# KiCad board Boston-keyboard.kicad_pcb (continued)
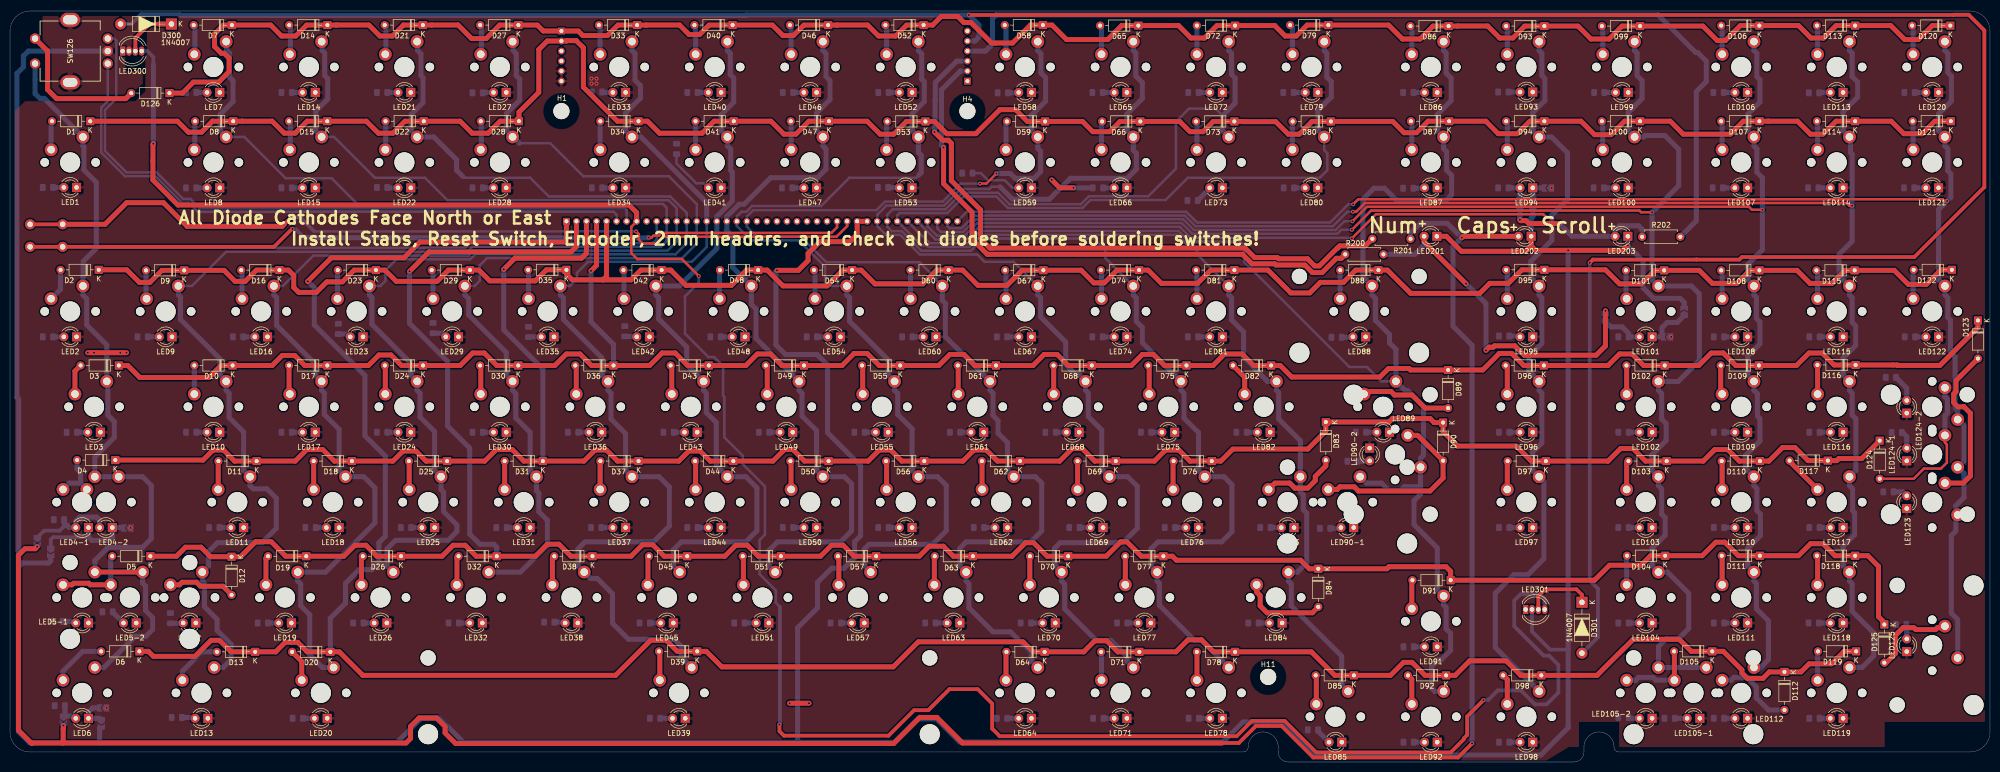
[diagram p0: board, top side]
## Placement (name value [footprint] x y rotation side) (continued)
R49  47  [R_0805_2012Metric_Pad1.15x1.40mm_HandSolder]  150.43 65.87 0 bottom
R50  47  [R_0805_2012Metric_Pad1.15x1.40mm_HandSolder]  155.19 46.82 0 bottom
R51  47  [R_0805_2012Metric_Pad1.15x1.40mm_HandSolder]  145.51 27.77 0 bottom
R52  47  [R_0805_2012Metric_Pad1.15x1.40mm_HandSolder]  174.24 133.74 0 bottom
R53  47  [R_0805_2012Metric_Pad1.15x1.40mm_HandSolder]  174.16 114.77 0 bottom
R54  47  [R_0805_2012Metric_Pad1.15x1.40mm_HandSolder]  159.96 84.92 0 bottom
R55  47  [R_0805_2012Metric_Pad1.15x1.40mm_HandSolder]  169.48 65.87 0 bottom
R56  47  [R_0805_2012Metric_Pad1.15x1.40mm_HandSolder]  174.24 46.82 0 bottom
R57  47  [R_0805_2012Metric_Pad1.15x1.40mm_HandSolder]  164.72 27.77 0 bottom
R58  47  [R_0805_2012Metric_Pad1.15x1.40mm_HandSolder]  198.06 133.66 0 bottom
R59  47  [R_0805_2012Metric_Pad1.15x1.40mm_HandSolder]  190.99 117.62 0 bottom
R60  47  [R_0805_2012Metric_Pad1.15x1.40mm_HandSolder]  179 84.92 0 bottom
R61  47  [R_0805_2012Metric_Pad1.15x1.40mm_HandSolder]  188.53 65.87 0 bottom
R62  47  [R_0805_2012Metric_Pad1.15x1.40mm_HandSolder]  193.29 46.82 0 bottom
R63  47  [R_0805_2012Metric_Pad1.15x1.40mm_HandSolder]  183.61 27.77 0 bottom
R64  47  [R_0805_2012Metric_Pad1.15x1.40mm_HandSolder]  197.9 8.72 0 bottom
R65  47  [R_0805_2012Metric_Pad1.15x1.40mm_HandSolder]  216.95 133.74 0 bottom
R66  47  [R_0805_2012Metric_Pad1.15x1.40mm_HandSolder]  217.03 114.69 0 bottom
R67  47  [R_0805_2012Metric_Pad1.15x1.40mm_HandSolder]  197.9 84.92 0 bottom
R68  47  [R_0805_2012Metric_Pad1.15x1.40mm_HandSolder]  207.58 65.87 0 bottom
R69  47  [R_0805_2012Metric_Pad1.15x1.40mm_HandSolder]  212.34 46.82 0 bottom
R70  47  [R_0805_2012Metric_Pad1.15x1.40mm_HandSolder]  202.66 27.77 0 bottom
R71  47  [R_0805_2012Metric_Pad1.15x1.40mm_HandSolder]  217.1 8.72 0 bottom
R72  47  [R_0805_2012Metric_Pad1.15x1.40mm_HandSolder]  236.08 133.74 0 bottom
R73  47  [R_0805_2012Metric_Pad1.15x1.40mm_HandSolder]  235.92 112.15 0 bottom
R74  47  [R_0805_2012Metric_Pad1.15x1.40mm_HandSolder]  216.95 84.92 0 bottom
R75  47  [R_0805_2012Metric_Pad1.15x1.40mm_HandSolder]  226.63 65.87 0 bottom
R76  47  [R_0805_2012Metric_Pad1.15x1.40mm_HandSolder]  231.39 46.82 0 bottom
R77  47  [R_0805_2012Metric_Pad1.15x1.40mm_HandSolder]  221.87 27.77 0 bottom
R78  47  [R_0805_2012Metric_Pad1.15x1.40mm_HandSolder]  236.16 8.72 0 bottom
R79  47  [R_0805_2012Metric_Pad1.15x1.40mm_HandSolder]  255.05 133.74 0 bottom
R80  47  [R_0805_2012Metric_Pad1.15x1.40mm_HandSolder]  255.13 114.69 0 bottom
R81  47  [R_0805_2012Metric_Pad1.15x1.40mm_HandSolder]  236 84.92 0 bottom
R82  47  [R_0805_2012Metric_Pad1.15x1.40mm_HandSolder]  245.68 65.87 0 bottom
R83  47  [R_0805_2012Metric_Pad1.15x1.40mm_HandSolder]  250.44 46.82 0 bottom
R84  47  [R_0805_2012Metric_Pad1.15x1.40mm_HandSolder]  248.06 27.77 0 bottom
R85  47  [R_0805_2012Metric_Pad1.15x1.40mm_HandSolder]  259.93 6.42 0 bottom
R86  47  [R_0805_2012Metric_Pad1.15x1.40mm_HandSolder]  278.94 133.74 0 bottom
R87  47  [R_0805_2012Metric_Pad1.15x1.40mm_HandSolder]  278.94 114.61 0 bottom
R88  47  [R_0805_2012Metric_Pad1.15x1.40mm_HandSolder]  264.65 84.84 0 bottom
R89  47  [R_0805_2012Metric_Pad1.15x1.40mm_HandSolder]  269.49 65.87 0 bottom
R90-1  47  [R_0805_2012Metric_Pad1.15x1.40mm_HandSolder]  262.35 46.66 0 bottom
R90-2  47  [R_0805_2012Metric_Pad1.15x1.40mm_HandSolder]  267.83 60.08 0 bottom
R91  47  [R_0805_2012Metric_Pad1.15x1.40mm_HandSolder]  279.02 23.01 0 bottom
R92  47  [R_0805_2012Metric_Pad1.15x1.40mm_HandSolder]  279.02 3.96 0 bottom
R93  47  [R_0805_2012Metric_Pad1.15x1.40mm_HandSolder]  297.91 133.81 0 bottom
R94  47  [R_0805_2012Metric_Pad1.15x1.40mm_HandSolder]  297.91 114.69 0 bottom
R95  47  [R_0805_2012Metric_Pad1.15x1.40mm_HandSolder]  298.07 85.08 0 bottom
R96  47  [R_0805_2012Metric_Pad1.15x1.40mm_HandSolder]  298.07 65.87 0 bottom
R97  47  [R_0805_2012Metric_Pad1.15x1.40mm_HandSolder]  298.07 46.82 0 bottom
R98  47  [R_0805_2012Metric_Pad1.15x1.40mm_HandSolder]  298.07 3.96 0 bottom
R99  47  [R_0805_2012Metric_Pad1.15x1.40mm_HandSolder]  317.04 133.74 0 bottom
R100  47  [R_0805_2012Metric_Pad1.15x1.40mm_HandSolder]  316.96 114.69 0 bottom
R101  47  [R_0805_2012Metric_Pad1.15x1.40mm_HandSolder]  321.88 84.92 0 bottom
R102  47  [R_0805_2012Metric_Pad1.15x1.40mm_HandSolder]  321.88 65.87 0 bottom
R103  47  [R_0805_2012Metric_Pad1.15x1.40mm_HandSolder]  321.88 46.82 0 bottom
R104  47  [R_0805_2012Metric_Pad1.15x1.40mm_HandSolder]  321.88 27.77 0 bottom
R105-1  47  [R_0805_2012Metric_Pad1.15x1.40mm_HandSolder]  331.09 8.72 0 bottom
R105-2  47  [R_0805_2012Metric_Pad1.15x1.40mm_HandSolder]  321.88 8.88 0 bottom
R106  47  [R_0805_2012Metric_Pad1.15x1.40mm_HandSolder]  340.85 133.74 0 bottom
R107  47  [R_0805_2012Metric_Pad1.15x1.40mm_HandSolder]  340.69 114.69 0 bottom
R108  47  [R_0805_2012Metric_Pad1.15x1.40mm_HandSolder]  340.93 84.92 0 bottom
R109  47  [R_0805_2012Metric_Pad1.15x1.40mm_HandSolder]  340.93 65.87 0 bottom
R110  47  [R_0805_2012Metric_Pad1.15x1.40mm_HandSolder]  340.93 46.82 0 bottom
R111  47  [R_0805_2012Metric_Pad1.15x1.40mm_HandSolder]  340.93 27.77 0 bottom
R112  47  [R_0805_2012Metric_Pad1.15x1.40mm_HandSolder]  340.93 8.72 0 bottom
R113  47  [R_0805_2012Metric_Pad1.15x1.40mm_HandSolder]  359.9 133.66 0 bottom
R114  47  [R_0805_2012Metric_Pad1.15x1.40mm_HandSolder]  359.74 114.69 0 bottom
R115  47  [R_0805_2012Metric_Pad1.15x1.40mm_HandSolder]  359.98 84.92 0 bottom
R116  47  [R_0805_2012Metric_Pad1.15x1.40mm_HandSolder]  359.98 65.87 0 bottom
R117  47  [R_0805_2012Metric_Pad1.15x1.40mm_HandSolder]  359.98 46.82 0 bottom
R118  47  [R_0805_2012Metric_Pad1.15x1.40mm_HandSolder]  359.82 27.77 0 bottom
R119  47  [R_0805_2012Metric_Pad1.15x1.40mm_HandSolder]  359.98 8.72 0 bottom
R120  47  [R_0805_2012Metric_Pad1.15x1.40mm_HandSolder]  378.95 133.74 0 bottom
R121  47  [R_0805_2012Metric_Pad1.15x1.40mm_HandSolder]  378.87 114.69 0 bottom
R122  47  [R_0805_2012Metric_Pad1.15x1.40mm_HandSolder]  379.03 84.92 0 bottom
R123  47  [R_0805_2012Metric_Pad1.15x1.40mm_HandSolder]  374.74 53.96 0 bottom
R124-1  47  [R_0805_2012Metric_Pad1.15x1.40mm_HandSolder]  376.4 65.8 0 bottom
R124-2  47  [R_0805_2012Metric_Pad1.15x1.40mm_HandSolder]  375.22 76.82 0 bottom
R125  47  [R_0805_2012Metric_Pad1.15x1.40mm_HandSolder]  377.28 27.45 0 bottom
R200  330  [R_Axial_DIN0207_L6.3mm_D2.5mm_P7.62mm_Horizontal]  274 101.4 180 top
R201  330  [R_Axial_DIN0207_L6.3mm_D2.5mm_P7.62mm_Horizontal]  279.4 104.5 180 top
R202  330  [R_Axial_DIN0207_L6.3mm_D2.5mm_P7.62mm_Horizontal]  325.6 104.9 0 top
SW1  MXSwitch  [MX100]  12 119.77 180 bottom
SW2  MXSwitch  [MX100]  12 90 180 bottom
SW3  MXSwitch  [MX150]  16.76 70.95 180 bottom
SW4-1  MXSwitch  [MX125]  14.38 51.9 180 bottom
SW4-2  MXSwitch  [MX175]  19.14 51.9 180 bottom
SW5-1  MXSwitch  [MX125]  14.38 32.85 180 bottom
SW5-2  MXSwitch  [MX225]  23.91 32.85 180 bottom
SW6  MXSwitch  [MX125]  14.38 13.8 180 bottom
SW7  MXSwitch  [MX100]  40.58 138.82 180 bottom
SW8  MXSwitch  [MX100]  40.58 119.77 180 bottom
SW9  MXSwitch  [MX100]  31.05 90 180 bottom
SW10  MXSwitch  [MX100]  40.58 70.95 180 bottom
SW11  MXSwitch  [MX100]  45.34 51.9 180 bottom
SW12  MXSwitch  [MX100]  35.81 32.85 180 bottom
SW13  MXSwitch  [MX125]  38.19 13.8 180 bottom
SW14  MXSwitch  [MX100]  59.62 138.82 180 bottom
SW15  MXSwitch  [MX100]  59.62 119.77 180 bottom
SW16  MXSwitch  [MX100]  50.1 90 180 bottom
SW17  MXSwitch  [MX100]  59.62 70.95 180 bottom
SW18  MXSwitch  [MX100]  64.39 51.9 180 bottom
SW19  MXSwitch  [MX100]  54.86 32.85 180 bottom
SW20  MXSwitch  [MX125]  62.01 13.8 180 bottom
SW21  MXSwitch  [MX100]  78.67 138.82 180 bottom
SW22  MXSwitch  [MX100]  78.67 119.77 180 bottom
SW23  MXSwitch  [MX100]  69.15 90 180 bottom
SW24  MXSwitch  [MX100]  78.67 70.95 180 bottom
SW25  MXSwitch  [MX100]  83.44 51.9 180 bottom
SW26  MXSwitch  [MX100]  73.91 32.85 180 bottom
SW27  MXSwitch  [MX100]  97.72 138.82 180 bottom
SW28  MXSwitch  [MX100]  97.72 119.77 180 bottom
SW29  MXSwitch  [MX100]  88.2 90 180 bottom
SW30  MXSwitch  [MX100]  97.72 70.95 180 bottom
SW31  MXSwitch  [MX100]  102.49 51.9 180 bottom
SW32  MXSwitch  [MX100]  92.96 32.85 180 bottom
SW33  MXSwitch  [MX100]  121.54 138.82 180 bottom
SW34  MXSwitch  [MX100]  121.54 119.77 180 bottom
SW35  MXSwitch  [MX100]  107.25 90 180 bottom
SW36  MXSwitch  [MX100]  116.78 70.95 180 bottom
SW37  MXSwitch  [MX100]  121.54 51.9 180 bottom
SW38  MXSwitch  [MX100]  112.01 32.85 180 bottom
SW39  MXSwitch  [MX625]  133.44 13.8 180 bottom
SW40  MXSwitch  [MX100]  140.59 138.82 180 bottom
SW41  MXSwitch  [MX100]  140.59 119.77 180 bottom
SW42  MXSwitch  [MX100]  126.3 90 180 bottom
SW43  MXSwitch  [MX100]  135.82 70.95 180 bottom
SW44  MXSwitch  [MX100]  140.59 51.9 180 bottom
SW45  MXSwitch  [MX100]  131.06 32.85 180 bottom
SW46  MXSwitch  [MX100]  159.64 138.82 180 bottom
SW47  MXSwitch  [MX100]  159.64 119.77 180 bottom
SW48  MXSwitch  [MX100]  145.35 90 180 bottom
SW49  MXSwitch  [MX100]  154.88 70.95 180 bottom
SW50  MXSwitch  [MX100]  159.64 51.9 180 bottom
SW51  MXSwitch  [MX100]  150.11 32.85 180 bottom
SW52  MXSwitch  [MX100]  178.69 138.82 180 bottom
SW53  MXSwitch  [MX100]  178.69 119.77 180 bottom
SW54  MXSwitch  [MX100]  164.4 90 180 bottom
SW55  MXSwitch  [MX100]  173.93 70.95 180 bottom
SW56  MXSwitch  [MX100]  178.69 51.9 180 bottom
SW57  MXSwitch  [MX100]  169.16 32.85 180 bottom
SW58  MXSwitch  [MX100]  202.5 138.82 180 bottom
SW59  MXSwitch  [MX100]  202.5 119.77 180 bottom
SW60  MXSwitch  [MX100]  183.45 90 180 bottom
SW61  MXSwitch  [MX100]  192.97 70.95 180 bottom
SW62  MXSwitch  [MX100]  197.74 51.9 180 bottom
SW63  MXSwitch  [MX100]  188.21 32.85 180 bottom
SW64  MXSwitch  [MX100]  202.5 13.8 180 bottom
SW65  MXSwitch  [MX100]  221.55 138.82 180 bottom
SW66  MXSwitch  [MX100]  221.55 119.77 180 bottom
SW67  MXSwitch  [MX100]  202.5 90 180 bottom
SW68  MXSwitch  [MX100]  212.03 70.95 180 bottom
SW69  MXSwitch  [MX100]  216.79 51.9 180 bottom
SW70  MXSwitch  [MX100]  207.26 32.85 180 bottom
SW71  MXSwitch  [MX100]  221.55 13.8 180 bottom
SW72  MXSwitch  [MX100]  240.6 138.82 180 bottom
SW73  MXSwitch  [MX100]  240.6 119.77 180 bottom
SW74  MXSwitch  [MX100]  221.55 90 180 bottom
SW75  MXSwitch  [MX100]  231.07 70.95 180 bottom
SW76  MXSwitch  [MX100]  235.84 51.9 180 bottom
SW77  MXSwitch  [MX100]  226.31 32.85 180 bottom
SW78  MXSwitch  [MX100]  240.6 13.8 180 bottom
SW79  MXSwitch  [MX100]  259.65 138.82 180 bottom
SW80  MXSwitch  [MX100]  259.65 119.77 180 bottom
SW81  MXSwitch  [MX100]  240.6 90 180 bottom
SW82  MXSwitch  [MX100]  250.12 70.95 180 bottom
SW83  MXSwitch  [MX100]  254.89 51.9 180 bottom
SW84  MXSwitch  [MX175]  252.51 32.85 180 bottom
SW85  MXSwitch  [MX100]  264.41 9.04 180 bottom
SW86  MXSwitch  [MX100]  283.46 138.82 180 bottom
SW87  MXSwitch  [MX100]  283.46 119.77 180 bottom
SW88  MXSwitch  [MX200]  269.18 90 180 bottom
SW89  MXSwitch  [MX150]  273.94 70.95 180 bottom
SW90-1  MXSwitch  [MX225]  266.79 51.9 180 bottom
SW90-2  MXSwitch  [MX_ISOEnter]  276.32 61.42 180 bottom
SW91  MXSwitch  [MX100]  283.46 28.09 180 bottom
SW92  MXSwitch  [MX100]  283.46 9.04 180 bottom
SW93  MXSwitch  [MX100]  302.51 138.82 180 bottom
SW94  MXSwitch  [MX100]  302.51 119.77 180 bottom
SW95  MXSwitch  [MX100]  302.51 90 180 bottom
SW96  MXSwitch  [MX100]  302.51 70.95 180 bottom
SW97  MXSwitch  [MX100]  302.51 51.9 180 bottom
SW98  MXSwitch  [MX100]  302.51 9.04 180 bottom
SW99  MXSwitch  [MX100]  321.56 138.82 180 bottom
SW100  MXSwitch  [MX100]  321.56 119.77 180 bottom
SW101  MXSwitch  [MX100]  326.32 90 180 bottom
SW102  MXSwitch  [MX100]  326.32 70.95 180 bottom
SW103  MXSwitch  [MX100]  326.32 51.9 180 bottom
SW104  MXSwitch  [MX100]  326.32 32.85 180 bottom
SW105-1  MXSwitch  [MX200]  335.85 13.8 180 bottom
SW105-2  MXSwitch  [MX100]  326.32 13.8 180 bottom
SW106  MXSwitch  [MX100]  345.38 138.82 180 bottom
SW107  MXSwitch  [MX100]  345.38 119.77 180 bottom
SW108  MXSwitch  [MX100]  345.38 90 180 bottom
SW109  MXSwitch  [MX100]  345.38 70.95 180 bottom
SW110  MXSwitch  [MX100]  345.38 51.9 180 bottom
SW111  MXSwitch  [MX100]  345.38 32.85 180 bottom
SW112  MXSwitch  [MX100]  345.38 13.8 180 bottom
SW113  MXSwitch  [MX100]  364.43 138.82 180 bottom
SW114  MXSwitch  [MX100]  364.43 119.77 180 bottom
SW115  MXSwitch  [MX100]  364.43 90 180 bottom
SW116  MXSwitch  [MX100]  364.43 70.95 180 bottom
SW117  MXSwitch  [MX100]  364.43 51.9 180 bottom
SW118  MXSwitch  [MX100]  364.43 32.85 180 bottom
SW119  MXSwitch  [MX100]  364.43 13.8 180 bottom
SW120  MXSwitch  [MX100]  383.48 138.82 180 bottom
SW121  MXSwitch  [MX100]  383.48 119.77 180 bottom
SW122  MXSwitch  [MX100]  383.48 90 180 bottom
SW123  MXSwitch  [MX100]  383.48 51.9 90 bottom
SW124-1  MXSwitch  [MX200]  383.48 61.42 90 bottom
SW124-2  MXSwitch  [MX100]  383.48 70.95 90 bottom
SW125  MXSwitch  [MX200R]  383.48 23.33 90 bottom
SW126  Rotary_Encoder_Switch_Chassis  [ALPS_EC11E]  12 142 90 top
SW200  SW_Push  [SW_PUSH_6mm_H5mm]  10.5 107.4 180 bottom

## Footprints (pads in the part's own frame, mm; a bottom-side part is the same pattern mirrored in y, then rotated)
ALPS_EC11E
  oval 1.651x2.769 smd: (-6.25,0) (6.25,0)
  round 1.016 smd: (-2.5,7) (-2.5,-7.5) (0,-7.5) (2.5,7) (2.5,-7.5)
  round 2.032 hole 1.27: A(-2.5,-7.5) B(2.5,-7.5) C(0,-7.5) S1(-2.5,7) S2(2.5,7)
  oval 2.8x3.9 hole 1.8x2.9: S(-6.25,0) S(6.25,0)
D_DO-35_SOD27_P7.62mm_Horizontal
  rect 1.6x1.6 hole 0.8: 1(0,0)
  oval 1.6x1.6 hole 0.8: 2(7.62,0)
D_DO-41_SOD81_P10.16mm_Horizontal
  rect 2.2x2.2 hole 1.1: 1(0,0)
  oval 2.2x2.2 hole 1.1: 2(10.16,0)
LED_D3.0mm_Clear
  rect 1.8x1.8 hole 0.9: 1(0,0)
  round 1.8 hole 0.9: 2(2.54,0)
LED_D5.0mm-4_RGB
  rect 1.07x1.8 hole 0.9: 1(0,0)
  oval 1.07x1.8 hole 0.9: 2(1.27,0) 3(2.54,0) 4(3.81,0)
MountingHole_3.2mm_M3_ISO7380
  round 3.2 hole 3.2 unplated: (0,0)
MX100
  round 1.702 hole 1.702 unplated: (-5.08,0) (5.08,0)
  round 3.988 hole 3.988 unplated: (0,0)
  round 2.54 hole 1.525: 1(-2.54,5.08) 2(3.81,2.54)
MX125
  round 1.702 hole 1.702 unplated: (-5.08,0) (5.08,0)
  round 3.988 hole 3.988 unplated: (0,0)
  round 2.54 hole 1.524: 1(-2.54,5.08) 2(3.81,2.54)
MX150
  round 1.702 hole 1.702 unplated: (-5.08,0) (5.08,0)
  round 3.988 hole 3.988 unplated: (0,0)
  round 2.54 hole 1.524: 1(-2.54,5.08) 2(3.81,2.54)
MX175
  round 1.702 hole 1.702 unplated: (-5.08,0) (5.08,0)
  round 3.988 hole 3.988 unplated: (0,0)
  round 2.54 hole 1.524: 1(-2.54,5.08) 2(3.81,2.54)
MX200
  round 3.988 hole 3.988 unplated: (-11.938,-8.255) (0,0) (11.938,-8.255)
  round 3.048 hole 3.048 unplated: (-11.938,6.985) (11.938,6.985)
  round 1.702 hole 1.702 unplated: (-5.08,0) (5.08,0)
  round 2.54 hole 1.524: 1(-2.54,5.08) 2(3.81,2.54)
MX200R
  round 3.048 hole 3.048 unplated: (-11.938,-6.985) (11.938,-6.985)
  round 3.988 hole 3.988 unplated: (-11.938,8.255) (0,0) (11.938,8.255)
  round 1.702 hole 1.702 unplated: (-5.08,0) (5.08,0)
  round 2.54 hole 1.524: 1(-2.54,5.08) 2(3.81,2.54)
MX225
  round 3.988 hole 3.988 unplated: (-11.938,-8.255) (0,0) (11.938,-8.255)
  round 3.048 hole 3.048 unplated: (-11.938,6.985) (11.938,6.985)
  round 1.702 hole 1.702 unplated: (-5.08,0) (5.08,0)
  round 2.54 hole 1.524: 1(-2.54,5.08) 2(3.81,2.54)
MX625
  round 3.988 hole 3.988 unplated: (-50.038,-8.255) (0,0) (50.038,-8.255)
  round 3.048 hole 3.048 unplated: (-50.038,6.985) (50.038,6.985)
  round 1.702 hole 1.702 unplated: (-5.08,0) (5.08,0)
  round 2.54 hole 1.524: 1(-2.54,5.08) 2(3.81,2.54)
MX_ISOEnter
  round 3.048 hole 3.048 unplated: (-6.985,-11.938) (-6.985,11.938)
  round 1.702 hole 1.702 unplated: (0,-5.08) (0,5.08)
  round 3.988 hole 3.988 unplated: (0,0) (8.255,-11.938) (8.255,11.938)
  round 2.54 hole 1.524: 1(-5.08,-2.54) 2(-2.54,3.81)
PinSocket_1x06_P2.00mm_Vertical
  rect 1.35x1.35 hole 0.8: 1(0,0)
  oval 1.35x1.35 hole 0.8: 2(0,-2) 3(0,-4) 4(0,-6) 5(0,-8) 6(0,-10)
PinSocket_1x40_P2.00mm_Vertical
  rect 1.35x1.35 hole 0.8: 1(0,0)
  oval 1.35x1.35 hole 0.8: 2(0,-2) 3(0,-4) 4(0,-6) 5(0,-8) 6(0,-10) 7(0,-12) 8(0,-14) 9(0,-16) 10(0,-18) 11(0,-20) 12(0,-22) 13(0,-24) 14(0,-26) 15(0,-28) 16(0,-30) 17(0,-32) 18(0,-34) 19(0,-36) 20(0,-38) 21(0,-40) 22(0,-42) 23(0,-44) 24(0,-46) 25(0,-48) 26(0,-50) 27(0,-52) 28(0,-54) 29(0,-56) 30(0,-58) 31(0,-60) 32(0,-62) 33(0,-64) 34(0,-66) 35(0,-68) 36(0,-70) 37(0,-72) 38(0,-74) 39(0,-76) 40(0,-78)
R_0805_2012Metric_Pad1.15x1.40mm_HandSolder
  rrect 1.15x1.4 smd: 1(-1.025,0) 2(1.025,0)
R_Axial_DIN0207_L6.3mm_D2.5mm_P7.62mm_Horizontal
  round 1.6 hole 0.8: 1(0,0)
  oval 1.6x1.6 hole 0.8: 2(7.62,0)
SolderJumper-2_P1.3mm_Open_TrianglePad1.0x1.5mm
  custom 1.5x1.5 smd: 1(-0.725,0)
  custom 1.15x1.5 smd: 2(0.725,0)
SW_PUSH_6mm_H5mm
  round 2 hole 1.1: 1(0,0) 1(6.5,0) 2(0,-4.5) 2(6.5,-4.5)

## Nets
+3V3: J1.3 J1.4 J3.6 R1.1 R2.1 R3.1 R4.1 R5-1.1 R5-2.1 R6.1 R7.1 R8.1 R9.1 R10.1 R11.1 R12.1 R13.1 R14.1 R15.1 R16.1 R17.1 R18.1 R19.1 R20.1 R21.1 R22.1 R23.1 R24.1 R25.1 R26.1 R27.1 R28.1 R29.1 R30.1 R31.1 R32.1 R33.1 R34.1 R35.1 R36.1 R37.1 R38.1 R39.1 R40.1 R41.1 R42.1 R43.1 R44.1 R45.1 R46.1 R47.1 R48.1 R49.1 R50.1 R51.1 R52.1 R53.1 R54.1 R55.1 R56.1 R57.1 R58.1 R59.1 R60.1 R61.1 R62.1 R63.1 R64.1 R65.1 R66.1 R67.1 R68.1 R69.1 R70.1 R71.1 R72.1 R73.1 R74.1 R75.1 R76.1 R77.1 R78.1 R79.1 R80.1 R81.1 R82.1 R83.1 R84.1 R85.1 R86.1 R87.1 R88.1 R89.1 R90-1.1 R90-2.1 R91.1 R92.1 R93.1 R94.1 R95.1 R96.1 R97.1 R98.1 R99.1 R100.1 R101.1 R102.1 R103.1 R104.1 R105-1.1 R105-2.1 R106.1 R107.1 R108.1 R109.1 R110.1 R111.1 R112.1 R113.1 R114.1 R115.1 R116.1 R117.1 R118.1 R119.1 R120.1 R121.1 R122.1 R123.1 R124-1.1 R124-2.1 R125.1
+5V: D300.2 D301.2 J3.5
GND: J2.30 J2.31 JP4-2.2 JP6-2.2 JP94-2.2 JP101-2.2 LED201.1 LED202.1 LED203.1 LED300.2 LED301.2 SW126.C SW126.S
CAP_INDICATOR: JP4-1.2 JP6-1.2 LED202.2 R201.1
Col1: J2.10 SW1.1 SW2.1 SW3.1 SW4-1.1 SW4-2.1 SW5-1.1 SW5-2.1 SW6.1 SW126.S1
Col2: J2.11 SW7.1 SW8.1 SW9.1 SW10.1 SW11.1 SW12.1 SW13.1
Col3: J2.12 SW14.1 SW15.1 SW16.1 SW17.1 SW18.1 SW19.1 SW20.1
Col4: J2.13 SW21.1 SW22.1 SW23.1 SW24.1 SW25.1 SW26.1
Col5: J2.14 SW27.1 SW28.1 SW29.1 SW30.1 SW31.1 SW32.1
Col6: J2.15 SW33.1 SW34.1 SW35.1 SW36.1 SW37.1 SW38.1 SW39.1
Col7: J2.16 SW40.1 SW41.1 SW42.1 SW43.1 SW44.1 SW45.1
Col8: J2.17 SW46.1 SW47.1 SW48.1 SW49.1 SW50.1 SW51.1
Col9: J2.18 SW52.1 SW53.1 SW54.1 SW55.1 SW56.1 SW57.1
Col10: J2.19 SW58.1 SW59.1 SW60.1 SW61.1 SW62.1 SW63.1 SW64.1
Col11: J2.32 SW65.1 SW66.1 SW67.1 SW68.1 SW69.1 SW70.1 SW71.1
Col12: J2.33 SW72.1 SW73.1 SW74.1 SW75.1 SW76.1 SW77.1 SW78.1
Col13: J2.34 SW79.1 SW80.1 SW81.1 SW82.1 SW83.1 SW84.1 SW85.1
Col14: J2.35 SW86.1 SW87.1 SW88.1 SW89.1 SW90-1.1 SW90-2.1 SW91.1 SW92.1
Col15: J2.36 SW93.1 SW94.1 SW95.1 SW96.1 SW97.1 SW98.1
Col16: J2.37 SW99.1 SW100.1 SW101.1 SW102.1 SW103.1 SW104.1 SW105-1.1 SW105-2.1
Col17: J2.38 SW106.1 SW107.1 SW108.1 SW109.1 SW110.1 SW111.1 SW112.1
Col18: J2.39 SW113.1 SW114.1 SW115.1 SW116.1 SW117.1 SW118.1 SW119.1
Col19: J2.40 SW120.1 SW121.1 SW122.1 SW123.1 SW124-1.1 SW124-2.1 SW125.1
EncA: J2.6 SW126.A
EncB: J2.7 SW126.B
LED_switch: J1.5 J1.6 JP4-3.1 JP6-3.1 JP94-3.1 JP101-3.1 LED1.1 LED2.1 LED3.1 LED5-1.1 LED5-2.1 LED7.1 LED8.1 LED9.1 LED10.1 LED11.1 LED12.1 LED13.1 LED14.1 LED15.1 LED16.1 LED17.1 LED18.1 LED19.1 LED20.1 LED21.1 LED22.1 LED23.1 LED24.1 LED25.1 LED26.1 LED27.1 LED28.1 LED29.1 LED30.1 LED31.1 LED32.1 LED33.1 LED34.1 LED35.1 LED36.1 LED37.1 LED38.1 LED39.1 LED40.1 LED41.1 LED42.1 LED43.1 LED44.1 LED45.1 LED46.1 LED47.1 LED48.1 LED49.1 LED50.1 LED51.1 LED52.1 LED53.1 LED54.1 LED55.1 LED56.1 LED57.1 LED58.1 LED59.1 LED60.1 LED61.1 LED62.1 LED63.1 LED64.1 LED65.1 LED66.1 LED67.1 LED68.1 LED69.1 LED70.1 LED71.1 LED72.1 LED73.1 LED74.1 LED75.1 LED76.1 LED77.1 LED78.1 LED79.1 LED80.1 LED81.1 LED82.1 LED83.1 LED84.1 LED85.1 LED86.1 LED87.1 LED88.1 LED89.1 LED90-1.1 LED90-2.1 LED91.1 LED92.1 LED93.1 LED95.1 LED96.1 LED97.1 LED98.1 LED99.1 LED100.1 LED102.1 LED103.1 LED104.1 LED105-1.1 LED105-2.1 LED106.1 LED107.1 LED108.1 LED109.1 LED110.1 LED111.1 LED112.1 LED113.1 LED114.1 LED115.1 LED116.1 LED117.1 LED118.1 LED119.1 LED120.1 LED121.1 LED122.1 LED123.1 LED124-1.1 LED124-2.1 LED125.1
NUM_INDICATOR: JP101-1.2 LED201.2 R200.1
RGBLED: J2.8 LED300.4 LED301.4
Row1: D7.1 D14.1 D21.1 D27.1 D33.1 D40.1 D46.1 D52.1 D58.1 D65.1 D72.1 D79.1 D86.1 D93.1 D99.1 D106.1 D113.1 D120.1 D126.1 J1.1
Row2: D1.1 D8.1 D15.1 D22.1 D28.1 D34.1 D41.1 D47.1 D53.1 D59.1 D66.1 D73.1 D80.1 D87.1 D94.1 D100.1 D107.1 D114.1 D121.1 J1.2
Row3: D2.1 D9.1 D16.1 D23.1 D29.1 D35.1 D42.1 D48.1 D54.1 D60.1 D67.1 D74.1 D81.1 D88.1 D95.1 D101.1 D108.1 D115.1 D122.1 J2.5
Row4: D3.1 D10.1 D17.1 D24.1 D30.1 D36.1 D43.1 D49.1 D55.1 D61.1 D68.1 D75.1 D82.1 D89.1 D96.1 D102.1 D109.1 D116.1 D123.1 J2.4
Row5: D4.1 D11.1 D18.1 D25.1 D31.1 D37.1 D44.1 D50.1 D56.1 D62.1 D69.1 D76.1 D83.1 D90.1 D97.1 D103.1 D110.1 D117.1 D124.1 J2.3
Row6: D5.1 D12.1 D19.1 D26.1 D32.1 D38.1 D45.1 D51.1 D57.1 D63.1 D70.1 D77.1 D84.1 D91.1 D104.1 D111.1 D118.1 D125.1 J2.2
Row7: D6.1 D13.1 D20.1 D39.1 D64.1 D71.1 D78.1 D85.1 D92.1 D98.1 D105.1 D112.1 D119.1 J2.1
SCRL_INDICATOR: JP94-1.2 LED203.2 R202.1
Net-(D1-Pad2): D1.2 SW1.2
Net-(D2-Pad2): D2.2 SW2.2
Net-(D3-Pad2): D3.2 SW3.2
Net-(D4-Pad2): D4.2 SW4-1.2 SW4-2.2
Net-(D5-Pad2): D5.2 SW5-1.2 SW5-2.2
Net-(D6-Pad2): D6.2 SW6.2
Net-(D7-Pad2): D7.2 SW7.2
Net-(D8-Pad2): D8.2 SW8.2
Net-(D9-Pad2): D9.2 SW9.2
Net-(D10-Pad2): D10.2 SW10.2
Net-(D11-Pad2): D11.2 SW11.2
Net-(D12-Pad2): D12.2 SW12.2
Net-(D13-Pad2): D13.2 SW13.2
Net-(D14-Pad2): D14.2 SW14.2
Net-(D15-Pad2): D15.2 SW15.2
Net-(D16-Pad2): D16.2 SW16.2
Net-(D17-Pad2): D17.2 SW17.2
Net-(D18-Pad2): D18.2 SW18.2
Net-(D19-Pad2): D19.2 SW19.2
Net-(D20-Pad2): D20.2 SW20.2
Net-(D21-Pad2): D21.2 SW21.2
Net-(D22-Pad2): D22.2 SW22.2
Net-(D23-Pad2): D23.2 SW23.2
Net-(D24-Pad2): D24.2 SW24.2
Net-(D25-Pad2): D25.2 SW25.2
Net-(D26-Pad2): D26.2 SW26.2
Net-(D27-Pad2): D27.2 SW27.2
Net-(D28-Pad2): D28.2 SW28.2
Net-(D29-Pad2): D29.2 SW29.2
Net-(D30-Pad2): D30.2 SW30.2
Net-(D31-Pad2): D31.2 SW31.2
Net-(D32-Pad2): D32.2 SW32.2
Net-(D33-Pad2): D33.2 SW33.2
Net-(D34-Pad2): D34.2 SW34.2
Net-(D35-Pad2): D35.2 SW35.2
Net-(D36-Pad2): D36.2 SW36.2
Net-(D37-Pad2): D37.2 SW37.2
Net-(D38-Pad2): D38.2 SW38.2
Net-(D39-Pad2): D39.2 SW39.2
Net-(D40-Pad2): D40.2 SW40.2
Net-(D41-Pad2): D41.2 SW41.2
Net-(D42-Pad2): D42.2 SW42.2
Net-(D43-Pad2): D43.2 SW43.2
Net-(D44-Pad2): D44.2 SW44.2
Net-(D45-Pad2): D45.2 SW45.2
Net-(D46-Pad2): D46.2 SW46.2
Net-(D47-Pad2): D47.2 SW47.2
Net-(D48-Pad2): D48.2 SW48.2
Net-(D49-Pad2): D49.2 SW49.2
Net-(D50-Pad2): D50.2 SW50.2
Net-(D51-Pad2): D51.2 SW51.2
Net-(D52-Pad2): D52.2 SW52.2
Net-(D53-Pad2): D53.2 SW53.2
Net-(D54-Pad2): D54.2 SW54.2
Net-(D55-Pad2): D55.2 SW55.2
Net-(D56-Pad2): D56.2 SW56.2
Net-(D57-Pad2): D57.2 SW57.2
Net-(D58-Pad2): D58.2 SW58.2
Net-(D59-Pad2): D59.2 SW59.2
Net-(D60-Pad2): D60.2 SW60.2
Net-(D61-Pad2): D61.2 SW61.2
Net-(D62-Pad2): D62.2 SW62.2
Net-(D63-Pad2): D63.2 SW63.2
Net-(D64-Pad2): D64.2 SW64.2
Net-(D65-Pad2): D65.2 SW65.2
Net-(D66-Pad2): D66.2 SW66.2
Net-(D67-Pad2): D67.2 SW67.2
Net-(D68-Pad2): D68.2 SW68.2
Net-(D69-Pad2): D69.2 SW69.2
Net-(D70-Pad2): D70.2 SW70.2
Net-(D71-Pad2): D71.2 SW71.2
Net-(D72-Pad2): D72.2 SW72.2
Net-(D73-Pad2): D73.2 SW73.2
Net-(D74-Pad2): D74.2 SW74.2
Net-(D75-Pad2): D75.2 SW75.2
Net-(D76-Pad2): D76.2 SW76.2
Net-(D77-Pad2): D77.2 SW77.2
Net-(D78-Pad2): D78.2 SW78.2
Net-(D79-Pad2): D79.2 SW79.2
Net-(D80-Pad2): D80.2 SW80.2
Net-(D81-Pad2): D81.2 SW81.2
Net-(D82-Pad2): D82.2 SW82.2
Net-(D83-Pad2): D83.2 SW83.2
Net-(D84-Pad2): D84.2 SW84.2
Net-(D85-Pad2): D85.2 SW85.2
Net-(D86-Pad2): D86.2 SW86.2
Net-(D87-Pad2): D87.2 SW87.2
Net-(D88-Pad2): D88.2 SW88.2
Net-(D89-Pad2): D89.2 SW89.2
Net-(D90-Pad2): D90.2 SW90-1.2 SW90-2.2
Net-(D91-Pad2): D91.2 SW91.2
Net-(D92-Pad2): D92.2 SW92.2
Net-(D93-Pad2): D93.2 SW93.2
Net-(D94-Pad2): D94.2 SW94.2
Net-(D95-Pad2): D95.2 SW95.2
Net-(D96-Pad2): D96.2 SW96.2
Net-(D97-Pad2): D97.2 SW97.2
Net-(D98-Pad2): D98.2 SW98.2
Net-(D99-Pad2): D99.2 SW99.2
Net-(D100-Pad2): D100.2 SW100.2
Net-(D101-Pad2): D101.2 SW101.2
Net-(D102-Pad2): D102.2 SW102.2
Net-(D103-Pad2): D103.2 SW103.2
Net-(D104-Pad2): D104.2 SW104.2
Net-(D105-Pad2): D105.2 SW105-1.2 SW105-2.2
Net-(D106-Pad2): D106.2 SW106.2
Net-(D107-Pad2): D107.2 SW107.2
Net-(D108-Pad2): D108.2 SW108.2
Net-(D109-Pad2): D109.2 SW109.2
Net-(D110-Pad2): D110.2 SW110.2
Net-(D111-Pad2): D111.2 SW111.2
Net-(D112-Pad2): D112.2 SW112.2
Net-(D113-Pad2): D113.2 SW113.2
Net-(D114-Pad2): D114.2 SW114.2
Net-(D115-Pad2): D115.2 SW115.2
Net-(D116-Pad2): D116.2 SW116.2
Net-(D117-Pad2): D117.2 SW117.2
Net-(D118-Pad2): D118.2 SW118.2
Net-(D119-Pad2): D119.2 SW119.2
Net-(D120-Pad2): D120.2 SW120.2
Net-(D121-Pad2): D121.2 SW121.2
Net-(D122-Pad2): D122.2 SW122.2
Net-(D123-Pad2): D123.2 SW123.2
Net-(D124-Pad2): D124.2 SW124-1.2 SW124-2.2
Net-(D125-Pad2): D125.2 SW125.2
Net-(D126-Pad2): D126.2 SW126.S2
Net-(D300-Pad1): D300.1 LED300.3
Net-(D301-Pad1): D301.1 LED301.3
Net-(J2-Pad28): J2.28 SW200.2
Net-(J2-Pad29): J2.29 SW200.1
Net-(J3-Pad2): J3.2 R200.2
Net-(J3-Pad3): J3.3 R201.2
Net-(J3-Pad4): J3.4 R202.2
Net-(JP4-1-Pad1): JP4-1.1 LED4-1.2 LED4-2.2 R4.2
Net-(JP4-2-Pad1): JP4-2.1 JP4-3.2 LED4-1.1 LED4-2.1
Net-(JP6-1-Pad1): JP6-1.1 LED6.2 R6.2
Net-(JP6-2-Pad1): JP6-2.1 JP6-3.2 LED6.1
Net-(JP94-1-Pad1): JP94-1.1 LED94.2 R94.2
Net-(JP94-2-Pad1): JP94-2.1 JP94-3.2 LED94.1
Net-(JP101-1-Pad1): JP101-1.1 LED101.2 R101.2
Net-(JP101-2-Pad1): JP101-2.1 JP101-3.2 LED101.1
Net-(LED1-Pad2): LED1.2 R1.2
Net-(LED2-Pad2): LED2.2 R2.2
Net-(LED3-Pad2): LED3.2 R3.2
Net-(LED5-1-Pad2): LED5-1.2 R5-1.2
Net-(LED5-2-Pad2): LED5-2.2 R5-2.2
Net-(LED7-Pad2): LED7.2 R7.2
Net-(LED8-Pad2): LED8.2 R8.2
Net-(LED9-Pad2): LED9.2 R9.2
Net-(LED10-Pad2): LED10.2 R10.2
Net-(LED11-Pad2): LED11.2 R11.2
Net-(LED12-Pad2): LED12.2 R12.2
Net-(LED13-Pad2): LED13.2 R13.2
Net-(LED14-Pad2): LED14.2 R14.2
Net-(LED15-Pad2): LED15.2 R15.2
Net-(LED16-Pad2): LED16.2 R16.2
Net-(LED17-Pad2): LED17.2 R17.2
Net-(LED18-Pad2): LED18.2 R18.2
Net-(LED19-Pad2): LED19.2 R19.2
Net-(LED20-Pad2): LED20.2 R20.2
Net-(LED21-Pad2): LED21.2 R21.2
Net-(LED22-Pad2): LED22.2 R22.2
Net-(LED23-Pad2): LED23.2 R23.2
Net-(LED24-Pad2): LED24.2 R24.2
Net-(LED25-Pad2): LED25.2 R25.2
Net-(LED26-Pad2): LED26.2 R26.2
Net-(LED27-Pad2): LED27.2 R27.2
Net-(LED28-Pad2): LED28.2 R28.2
Net-(LED29-Pad2): LED29.2 R29.2
Net-(LED30-Pad2): LED30.2 R30.2
Net-(LED31-Pad2): LED31.2 R31.2
Net-(LED32-Pad2): LED32.2 R32.2
Net-(LED33-Pad2): LED33.2 R33.2
Net-(LED34-Pad2): LED34.2 R34.2
Net-(LED35-Pad2): LED35.2 R35.2
Net-(LED36-Pad2): LED36.2 R36.2
Net-(LED37-Pad2): LED37.2 R37.2
Net-(LED38-Pad2): LED38.2 R38.2
Net-(LED39-Pad2): LED39.2 R39.2
Net-(LED40-Pad2): LED40.2 R40.2
Net-(LED41-Pad2): LED41.2 R41.2
Net-(LED42-Pad2): LED42.2 R42.2
Net-(LED43-Pad2): LED43.2 R43.2
Net-(LED44-Pad2): LED44.2 R44.2
Net-(LED45-Pad2): LED45.2 R45.2
Net-(LED46-Pad2): LED46.2 R46.2
Net-(LED47-Pad2): LED47.2 R47.2
Net-(LED48-Pad2): LED48.2 R48.2
Net-(LED49-Pad2): LED49.2 R49.2
Net-(LED50-Pad2): LED50.2 R50.2
Net-(LED51-Pad2): LED51.2 R51.2
Net-(LED52-Pad2): LED52.2 R52.2
Net-(LED53-Pad2): LED53.2 R53.2
Net-(LED54-Pad2): LED54.2 R54.2
Net-(LED55-Pad2): LED55.2 R55.2
Net-(LED56-Pad2): LED56.2 R56.2
Net-(LED57-Pad2): LED57.2 R57.2
Net-(LED58-Pad2): LED58.2 R58.2
Net-(LED59-Pad2): LED59.2 R59.2
Net-(LED60-Pad2): LED60.2 R60.2
Net-(LED61-Pad2): LED61.2 R61.2
Net-(LED62-Pad2): LED62.2 R62.2
Net-(LED63-Pad2): LED63.2 R63.2
Net-(LED64-Pad2): LED64.2 R64.2
Net-(LED65-Pad2): LED65.2 R65.2
Net-(LED66-Pad2): LED66.2 R66.2
Net-(LED67-Pad2): LED67.2 R67.2
Net-(LED68-Pad2): LED68.2 R68.2
Net-(LED69-Pad2): LED69.2 R69.2
Net-(LED70-Pad2): LED70.2 R70.2
Net-(LED71-Pad2): LED71.2 R71.2
Net-(LED72-Pad2): LED72.2 R72.2
Net-(LED73-Pad2): LED73.2 R73.2
Net-(LED74-Pad2): LED74.2 R74.2
Net-(LED75-Pad2): LED75.2 R75.2
Net-(LED76-Pad2): LED76.2 R76.2
Net-(LED77-Pad2): LED77.2 R77.2
Net-(LED78-Pad2): LED78.2 R78.2
Net-(LED79-Pad2): LED79.2 R79.2
Net-(LED80-Pad2): LED80.2 R80.2
Net-(LED81-Pad2): LED81.2 R81.2
Net-(LED82-Pad2): LED82.2 R82.2
Net-(LED83-Pad2): LED83.2 R83.2
